# Altium PCB HV_DAC_8ch-DIOT.PCBDOC (part 5 of 11) (continued)
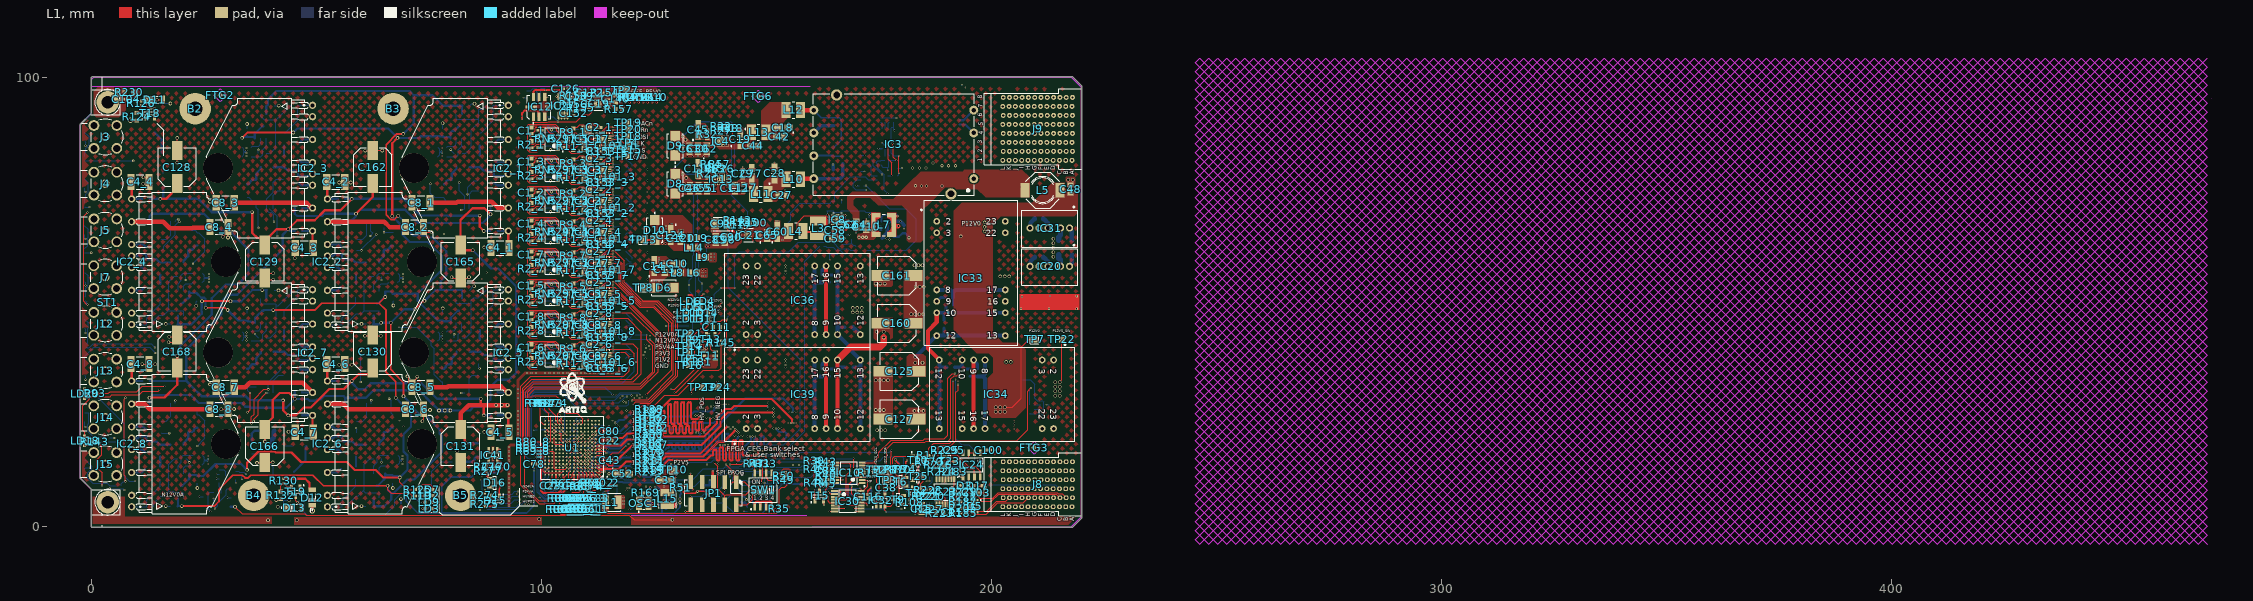
[diagram p0: L1 view]
## Nets (pads, with @x,y where several pads share a name; then routed paths per layer and width w, separated by ;. In a path a pad name is that pad's centre, name@x,y a point inside that pad or via, vN(x,y) a via of type N, cw(c..) or ccw(c..) an arc to the next point about the centre after c; other vN are vias at no path point) (continued)
BP_IO.LVDS_P8: J8.B6 R97.2 R189.2 | length 146.5
  L1 w0.1: R189.2@124.414,25.618 124.44,25.644 124.44,25.667 124.499,25.726 124.78,25.726 124.839,25.668 124.839,25.61 125.079,25.37 R97.2@125.099,25.37 125.119,25.37 125.359,25.61 125.359,25.668 125.417,25.726 126.126,25.726 128.8,28.4 151.1,28.4 155.623,23.877 155.623,23.309 155.473,23.159 v1(155.473,23.1)
  L3 w0.1: v1(155.473,23.1) 155.473,23.181 155.57,23.279 155.57,23.588 156.58,24.597 172.103,24.597 173.468,23.232 183.768,23.232 185.065,21.935 185.3,21.7 186.868,20.132 200.1,20.132 200.316,20.132 ccw(c200.316,20.233) 200.417,20.233 200.417,22.592 cw(c200.849,22.592) 200.849,23.025 201.15,23.025 cw(c201.15,22.592) 201.583,22.592 201.583,19.792 ccw(c201.684,19.792) 201.684,19.692 201.985,19.692 ccw(c201.985,19.792) 202.085,19.792 202.085,22.592 cw(c202.518,22.592) 202.518,23.025 202.819,23.025 cw(c202.819,22.592) 203.252,22.592 203.252,19.792 ccw(c203.352,19.792) 203.352,19.692 203.653,19.692 ccw(c203.653,19.792) 203.754,19.792 203.754,21.111 cw(c204.186,21.111) 204.186,21.544 204.488,21.544 cw(c204.488,21.111) 204.92,21.111 204.92,19.792 ccw(c205.021,19.792) 205.021,19.692 205.322,19.692 ccw(c205.322,19.792) 205.422,19.792 205.422,21.254 cw(c205.855,21.254) 205.855,21.687 206.156,21.687 cw(c206.156,21.254) 206.589,21.254 206.589,19.792 ccw(c206.689,19.792) 206.689,19.692 206.991,19.692 ccw(c206.991,19.792) 207.091,19.792 207.091,22.592 cw(c207.524,22.592) 207.524,23.025 207.825,23.025 cw(c207.825,22.592) 208.258,22.592 208.258,19.792 ccw(c208.358,19.792) 208.358,19.692 208.659,19.692 ccw(c208.659,19.792) 208.76,19.792 208.76,22.592 cw(c209.192,22.592) 209.192,23.025 209.493,23.025 cw(c209.493,22.592) 209.926,22.592 209.926,20.233 ccw(c210.027,20.233) 210.027,20.132 210.6,20.132 211.538,20.132 212.2,19.47 212.435,19.235 212.8,18.87 212.8,17.1 213.5,16.4 214.8,16.4 214.968,16.568 214.968,21.238 215.562,21.832 216.738,21.832 216.9,21.67 217.135,21.435 217.932,20.638 217.932,17.232 216.105,15.405 216.105,15.034 J8.B6@216.639,14.5
BP_IO.LVDS_P9: J8.K6 R102.2 R197.2 | length 146.7
  L1 w0.1: R197.2@124.235,23.579 124.255,23.579 124.415,23.739 124.415,23.764 124.497,23.847 124.78,23.847 124.839,23.788 124.839,23.73 125.079,23.49 R102.2@125.099,23.49 125.119,23.49 125.359,23.73 125.359,23.788 125.417,23.847 125.878,23.847 125.944,23.913 126.3,23.913 126.464,23.913 ccw(c126.464,24.24) 126.791,24.24 126.791,25.582 cw(c126.891,25.582) 126.891,25.682 127.193,25.682 cw(c127.193,25.582) 127.293,25.582 127.293,23.122 ccw(c127.62,23.122) 127.62,22.794 127.922,22.794 ccw(c127.922,23.122) 128.249,23.122 128.249,27.04 cw(c128.349,27.04) 128.349,27.14 128.651,27.14 cw(c128.651,27.04) 128.751,27.04 128.751,23.122 ccw(c129.078,23.122) 129.078,22.794 129.38,22.794 ccw(c129.38,23.122) 129.707,23.122 129.707,27.508 cw(c129.807,27.508) 129.807,27.609 130.109,27.609 cw(c130.109,27.508) 130.209,27.508 130.209,23.122 ccw(c130.536,23.122) 130.536,22.794 130.837,22.794 ccw(c130.837,23.122) 131.165,23.122 131.165,27.508 cw(c131.265,27.508) 131.265,27.609 131.566,27.609 cw(c131.566,27.508) 131.667,27.508 131.667,23.122 ccw(c131.994,23.122) 131.994,22.794 132.295,22.794 ccw(c132.295,23.122) 132.623,23.122 132.623,27.508 cw(c132.723,27.508) 132.723,27.609 133.024,27.609 cw(c133.024,27.508) 133.125,27.508 133.125,24.24 ccw(c133.452,24.24) 133.452,23.913 134.5,23.913 134.799,23.913 135.247,24.361 135.247,24.591 135.397,24.741 v1(135.397,24.8)
  L3 w0.1: v1(135.397,24.8) 135.397,24.719 135.3,24.621 135.3,23.4 136.7,22 139.3,19.4 141.57,19.4 142.87,18.1 170.17,18.1 171.77,16.5 175.9,16.5 176.1,16.3 183.4,16.3 184.499,16.3 cw(c184.499,15.867) 184.932,15.867 184.932,14.408 ccw(c185.032,14.408) 185.032,14.307 185.333,14.307 ccw(c185.333,14.408) 185.434,14.408 185.434,15.867 cw(c185.866,15.867) 185.866,16.3 189.505,16.3 cw(c189.505,15.867) 189.938,15.867 189.938,15.01 ccw(c190.038,15.01) 190.038,14.909 190.339,14.909 ccw(c190.339,15.01) 190.44,15.01 190.44,16.14 cw(c190.872,16.14) 190.872,16.573 191.173,16.573 cw(c191.173,16.14) 191.606,16.14 191.606,14.408 ccw(c191.707,14.408) 191.707,14.307 192.008,14.307 ccw(c192.008,14.408) 192.108,14.408 192.108,15.867 cw(c192.541,15.867) 192.541,16.3 195.732,16.3 196,16.032 196.179,16.032 cw(c196.179,15.6) 196.612,15.6 196.612,14.408 ccw(c196.712,14.408) 196.712,14.307 197.014,14.307 ccw(c197.014,14.408) 197.114,14.408 197.114,16.14 cw(c197.547,16.14) 197.547,16.573 197.848,16.573 cw(c197.848,16.14) 198.281,16.14 198.281,14.408 ccw(c198.381,14.408) 198.381,14.307 198.682,14.307 ccw(c198.682,14.408) 198.783,14.408 198.783,16.14 cw(c199.215,16.14) 199.215,16.573 199.516,16.573 cw(c199.516,16.14) 199.949,16.14 199.949,14.408 ccw(c200.05,14.408) 200.05,14.307 200.351,14.307 ccw(c200.351,14.408) 200.451,14.408 200.451,15.6 cw(c200.884,15.6) 200.884,16.032 201.1,16.032 202.91,16.032 203.505,15.438 203.505,15.034 J8.K6@204.039,14.5
BP_IO.LVDS_P10: J8.H6 R172.2 R199.2 | length 147.5
  L1 w0.1: R199.2@124.235,21.682 124.255,21.682 124.415,21.842 124.415,21.877 124.507,21.969 124.78,21.969 124.839,21.911 124.839,21.853 125.079,21.613 R172.2@125.099,21.613 125.119,21.613 125.359,21.853 125.359,21.911 125.417,21.969 125.672,21.969 125.878,21.969 125.944,22.036 126.096,22.036 ccw(c126.096,22.363) 126.423,22.363 126.423,22.548 cw(c126.523,22.548) 126.523,22.648 126.825,22.648 cw(c126.825,22.548) 126.925,22.548 126.925,21.178 ccw(c127.252,21.178) 127.252,20.851 127.554,20.851 ccw(c127.554,21.178) 127.881,21.178 127.881,22.24 cw(c127.981,22.24) 127.981,22.34 128.283,22.34 cw(c128.283,22.24) 128.383,22.24 128.383,21.088 ccw(c128.71,21.088) 128.71,20.761 129.012,20.761 ccw(c129.012,21.088) 129.339,21.088 129.339,22.24 cw(c129.439,22.24) 129.439,22.34 129.741,22.34 cw(c129.741,22.24) 129.841,22.24 129.841,21.088 ccw(c130.168,21.088) 130.168,20.761 130.47,20.761 ccw(c130.47,21.088) 130.797,21.088 130.797,22.24 cw(c130.897,22.24) 130.897,22.34 131.199,22.34 cw(c131.199,22.24) 131.299,22.24 131.299,21.088 ccw(c131.626,21.088) 131.626,20.761 131.928,20.761 ccw(c131.928,21.088) 132.255,21.088 132.255,22.24 cw(c132.355,22.24) 132.355,22.34 132.657,22.34 cw(c132.657,22.24) 132.757,22.24 132.757,21.088 ccw(c133.084,21.088) 133.084,20.761 133.386,20.761 ccw(c133.386,21.088) 133.713,21.088 133.713,23.227 cw(c133.813,23.227) 133.813,23.328 134.115,23.328 cw(c134.115,23.227) 134.215,23.227 134.215,21.704 ccw(c134.542,21.704) 134.542,21.377 134.844,21.377 ccw(c134.844,21.704) 135.171,21.704 135.171,23.227 cw(c135.271,23.227) 135.271,23.328 135.573,23.328 cw(c135.573,23.227) 135.673,23.227 135.673,21.704 ccw(c136,21.704) 136,21.377 136.302,21.377 ccw(c136.302,21.704) 136.629,21.704 136.629,21.935 cw(c136.729,21.935) 136.729,22.036 136.893,22.036 136.936,22.036 137.65,22.75 137.65,24.091 137.8,24.241 v1(137.8,24.3)
  L3 w0.1: v1(137.8,24.3) 137.8,24.219 137.703,24.121 137.703,23.567 140.57,20.7 141.5,20.7 141.735,20.465 143.168,19.032 171.1,19.032 171.705,19.032 cw(c171.705,18.6) 172.138,18.6 172.138,17.521 ccw(c172.238,17.521) 172.238,17.421 172.539,17.421 ccw(c172.539,17.521) 172.64,17.521 172.64,19.04 cw(c173.072,19.04) 173.072,19.473 173.373,19.473 cw(c173.373,19.04) 173.806,19.04 173.806,17.458 ccw(c173.907,17.458) 173.907,17.358 174.208,17.358 ccw(c174.208,17.458) 174.308,17.458 174.308,19.04 cw(c174.741,19.04) 174.741,19.473 175.042,19.473 cw(c175.042,19.04) 175.475,19.04 175.475,17.458 ccw(c175.575,17.458) 175.575,17.358 175.876,17.358 ccw(c175.876,17.458) 175.977,17.458 175.977,19.04 cw(c176.409,19.04) 176.409,19.473 176.711,19.473 cw(c176.711,19.04) 177.143,19.04 177.143,17.81 ccw(c177.244,17.81) 177.244,17.709 177.545,17.709 ccw(c177.545,17.81) 177.645,17.81 177.645,19.04 cw(c178.078,19.04) 178.078,19.473 178.379,19.473 cw(c178.379,19.04) 178.812,19.04 178.812,17.458 ccw(c178.912,17.458) 178.912,17.358 179.214,17.358 ccw(c179.214,17.458) 179.314,17.458 179.314,19.04 cw(c179.747,19.04) 179.747,19.473 180.048,19.473 cw(c180.048,19.04) 180.481,19.04 180.481,17.458 ccw(c180.581,17.458) 180.581,17.358 180.882,17.358 ccw(c180.882,17.458) 180.983,17.458 180.983,19.04 cw(c181.415,19.04) 181.415,19.473 181.716,19.473 cw(c181.716,19.04) 182.149,19.04 182.149,17.458 ccw(c182.25,17.458) 182.25,17.358 182.551,17.358 ccw(c182.551,17.458) 182.651,17.458 182.651,18.6 cw(c183.084,18.6) 183.084,19.032 183.3,19.032 184.268,19.032 184.5,18.8 185.168,18.132 186.768,18.132 187.365,17.535 187.6,17.3 187.768,17.132 193.793,17.132 194.009,17.132 ccw(c194.009,17.233) 194.11,17.233 194.11,18.14 cw(c194.542,18.14) 194.542,18.573 194.844,18.573 cw(c194.844,18.14) 195.276,18.14 195.276,16.96 ccw(c195.377,16.96) 195.377,16.859 195.678,16.859 ccw(c195.678,16.96) 195.778,16.96 195.778,18.14 cw(c196.211,18.14) 196.211,18.573 196.512,18.573 cw(c196.512,18.14) 196.945,18.14 196.945,17.233 ccw(c197.045,17.233) 197.045,17.132 197.346,17.132 ccw(c197.346,17.233) 197.447,17.233 197.447,18.14 cw(c197.879,18.14) 197.879,18.573 198.181,18.573 cw(c198.181,18.14) 198.613,18.14 ; 198.613,18.14 198.613,17.233 ccw(c198.714,17.233) 198.714,17.132 202.352,17.132 ccw(c202.352,17.233) 202.453,17.233 202.453,18.14 cw(c202.885,18.14) 202.885,18.573 203.186,18.573 cw(c203.186,18.14) 203.619,18.14 203.619,17.233 ccw(c203.72,17.233) 203.72,17.132 205.807,17.132 206.21,17.132 207.705,15.638 207.705,15.034 J8.H6@208.239,14.5
BP_IO.LVDS_P11: J9.D1 R71.2 R203.2 | length 142.5
  L1 w0.1: R203.2@124.26,19.847 124.28,19.847 124.509,20.076 124.778,20.076 ; v1(150.3,26.7) 150.241,26.7 150.091,26.85 142.971,26.85 142.321,26.2 140.927,26.2 139.2,24.473 139.2,23.079 136.223,20.102 125.417,20.102 125.359,20.044 125.359,19.986 125.119,19.746 R71.2@125.099,19.746 125.079,19.746 R71.2@124.839,19.986 ; 124.778,20.076 124.778,20.047 R71.2@124.839,19.986 ; 124.778,20.076 124.839,20.015 R71.2@124.839,19.986
  L3 w0.1: v1(150.3,26.7) 150.381,26.7 150.479,26.797 151.967,26.797 153.738,28.568 200.338,28.568 205.7,33.93 205.7,65.3 204.8,66.2 204.8,71.83 205.885,72.915 207.185,74.215 cw(c207.567,73.832) 207.95,74.214 ; 207.951,74.214 208.158,74.006 ; 208.159,74.006 ccw(c208.776,74.623) 209.394,74.005 209.479,74.09 ccw(c208.861,74.708) 209.528,75.272 209.528,75.276 209.48,75.324 ; 209.479,75.325 209.269,75.535 cw(c209.652,75.917) 209.269,76.3 209.422,76.452 209.859,76.889 211.459,78.489 213.205,80.235 213.205,80.966 J9.D1@213.739,81.5
BP_IO.LVDS_P12: J9.A1 R107.2 R209.2 | length 145.1
  L1 w0.1: R209.2@124.238,17.943 124.398,18.103 124.398,18.139 124.469,18.211 124.763,18.211 124.822,18.152 124.822,18.094 125.062,17.854 125.102,17.854 125.342,18.094 125.342,18.152 125.4,18.211 135.732,18.211 139.927,22.406 139.927,23.806 141.471,25.35 151.391,25.35 151.541,25.2 v1(151.6,25.2)
  L3 w0.1: v1(151.6,25.2) 151.681,25.2 151.779,25.297 152.267,25.297 154.438,27.468 203.038,27.468 207.132,31.562 207.132,47.232 208.132,48.232 208.132,54.638 207.135,55.635 207.135,69.235 217.405,79.505 217.405,80.966 J9.A1@217.939,81.5
BP_IO.LVDS_P13: J9.J1 R79.2 R211.2 | length 145.5
  L1 w0.1: R211.2@124.267,16.048 124.287,16.048 124.447,16.208 124.447,16.257 124.506,16.315 124.589,16.315 124.838,16.315 124.897,16.257 124.897,16.199 125.137,15.959 R79.2@125.157,15.959 125.177,15.959 125.417,16.199 125.417,16.257 125.475,16.315 135.436,16.315 141.361,22.239 141.561,22.239 v1(141.567,22.233)
  L3 w0.1: v1(141.567,22.233) 141.624,22.291 141.624,22.428 143.824,24.629 143.977,24.782 ccw(c143.671,25.088) 144.026,25.335 144.026,25.345 143.978,25.393 ; 143.977,25.394 143.1,26.27 cw(c143.171,26.341) 143.1,26.412 143.313,26.625 cw(c143.384,26.554) 143.455,26.625 144.389,25.691 ccw(c144.695,25.997) 145.001,25.691 145.214,25.904 ccw(c144.908,26.21) 145.214,26.516 144.28,27.45 cw(c144.351,27.521) 144.28,27.592 144.493,27.805 cw(c144.564,27.734) 144.635,27.805 145.569,26.871 ccw(c145.875,27.177) 146.181,26.871 146.394,27.084 ccw(c146.088,27.39) 146.394,27.696 145.46,28.63 cw(c145.531,28.701) 145.46,28.772 145.673,28.985 cw(c145.744,28.914) 145.815,28.985 146.692,28.108 ccw(c146.998,28.414) 147.304,28.108 148.669,29.473 149.963,30.768 196.938,30.768 200.332,34.162 200.332,39.938 200.135,40.135 197.4,42.87 197.4,72.4 204.805,79.805 204.805,80.966 J9.J1@205.339,81.5
BP_IO.LVDS_P14: J9.G1 R81.2 R213.2 | length 140.8
  L1 w0.1: R213.2@124.318,14.193 124.338,14.193 124.498,14.353 124.498,14.39 124.557,14.448 124.838,14.448 124.897,14.39 124.897,14.332 125.137,14.092 R81.2@125.157,14.092 125.177,14.092 125.417,14.332 125.417,14.39 125.475,14.448 126.569,14.448 127.694,15.573 136.099,15.573 139.413,18.887 140.587,18.887 142.8,21.1 143.103,21.403 143.315,21.403 v1(143.356,21.444)
  L3 w0.1: 143.413,21.639 144.138,22.364 144.138,22.838 150.868,29.568 197.738,29.568 202.232,34.062 202.232,40.538 201.335,41.435 200.4,42.37 200.4,55.8 203.032,58.432 203.032,62.238 202.235,63.035 202,63.27 200.4,64.87 200.4,71.253 209.005,79.858 209.005,80.966 J9.G1@209.539,81.5
BP_IO.LVDS_P15: J8.E2 R83.2 R215.2 | length 147
  L1 w0.1: R215.2@124.235,12.271 124.255,12.271 124.415,12.431 124.415,12.456 124.497,12.538 124.78,12.538 124.839,12.48 124.839,12.422 125.079,12.182 R83.2@125.099,12.182 125.119,12.182 125.359,12.422 125.359,12.48 125.417,12.538 126.059,12.538 128.321,14.8 136.7,14.8 137.7,15.8 137.8,15.8 137.964,15.8 ccw(c137.964,16.127) 138.291,16.127 138.291,16.956 cw(c138.391,16.956) 138.391,17.057 138.693,17.057 cw(c138.693,16.956) 138.793,16.956 138.793,15.085 ccw(c139.12,15.085) 139.12,14.758 139.422,14.758 ccw(c139.422,15.085) 139.749,15.085 139.749,17.496 cw(c139.849,17.496) 139.849,17.596 140.151,17.596 cw(c140.151,17.496) 140.251,17.496 140.251,15.085 ccw(c140.578,15.085) 140.578,14.758 140.88,14.758 ccw(c140.88,15.085) 141.207,15.085 141.207,17.496 cw(c141.307,17.496) 141.307,17.596 141.609,17.596 cw(c141.609,17.496) 141.709,17.496 141.709,15.085 ccw(c142.036,15.085) 142.036,14.758 142.338,14.758 ccw(c142.338,15.085) 142.665,15.085 142.665,19.028 cw(c142.765,19.028) 142.765,19.128 143.066,19.128 cw(c143.066,19.028) 143.167,19.028 143.167,15.085 ccw(c143.494,15.085) 143.494,14.758 143.795,14.758 ccw(c143.795,15.085) 144.123,15.085 144.123,19.028 cw(c144.223,19.028) 144.223,19.128 144.524,19.128 cw(c144.524,19.028) 144.625,19.028 144.625,16.127 ccw(c144.952,16.127) 144.952,15.8 145.824,15.8 147.821,15.8 148.327,16.306 148.327,16.8 148.427,16.9 v1(148.477,16.9)
  L6 w0.1: v1(148.477,16.9) 148.477,16.819 148.38,16.721 148.38,16.52 148.7,16.2 148.8,16.1 152.97,16.1 153.873,15.197 164.373,15.197 164.682,14.888 164.838,14.732 173.568,14.732 174.465,13.835 174.7,13.6 175.568,12.732 183.362,12.732 183.662,13.032 185.468,13.032 185.7,12.8 187.668,10.832 192.768,10.832 194.065,9.535 194.3,9.3 195.968,7.632 197.838,7.632 199.3,6.17 199.535,5.935 199.732,5.738 199.732,4.162 198.973,3.403 196.197,3.403 196.1,3.5 196,3.6 194.4,3.6 193.8,3 193.8,1.7 193.9,1.6 194.4,1.1 199.93,1.1 201.068,2.238 201.068,6.638 202.062,7.632 211.527,7.632 211.905,7.254 211.905,7.034 J8.E2@212.439,6.5
CHASSIS: C104.1 R230.1 R232.2 ST1.0 ST1.1 | length 105.7
  L1 w0.127: ST1.0@3.556,6.83 ST1.0@3.556,5.512 ST1.0@4.388,4.68 ; ST1.1@3.556,94.412 ST1.1@3.87,94.098
  L3 w0.127: ST1.0@3.556,5.512 ST1.0@3.556,6.293
  L6 w1: ST1.0@3.556,5.512 3.556,6.256 6.5,9.2 10.5,9.2 12,10.7 12,25.6 11.247,26.353 11.247,32.447 12.7,33.9 12.7,89.6 10.1,92.2 5.768,92.2 ST1.1@3.556,94.412
  other v2: 39.2,1.5
CLK_25MHz: R169.2 U1.K9 | length 25.5
  L1 w0.127: v1@106.027,19.152 106.048,19.152 106.379,18.821 U1.K9@106.379,18.8 ; v1(122.028,7.542) 122.058,7.571 R169.2@122.722,7.571
  L6 w0.1: v1(106,19.2) 105.5,18.7 105.5,17.7 105.635,17.565 105.635,16.565 106.5,15.7 106.5,14.7 107.204,13.996 107.704,13.996 107.9,13.8 107.9,12.7 108.3,12.3 112.1,12.3 113.5,10.9 118.2,10.9 121.546,7.554 122.016,7.554 v1(122.028,7.542)
DAC_CLK1: C66_1.1 IC37_1.8 R65_1.2 TP4.1 | length 110.4
  L1 w0.127: v1(110.084,3.256) R65_1.2@110.084,3.662 ; IC37_1.8@115.112,86.906 115.157,86.951 115.792,86.951 v1(115.874,87.033) 116.567,87.033 118.2,85.4 TP4.1@119.3,85.4 ; IC37_1.8@115.185,86.918 IC37_1.8@115.218,86.885
  L3 w0.1: v1(110.084,3.256) 110.937,2.402 122.802,2.402 123.154,2.754 125.654,5.254 125.654,9.211 125.3,9.565 125.3,48.6 121.554,52.346 121.554,68.038 120.154,69.438 120.154,74.264 118.716,75.702 118.716,80.876 117.4,82.192 117.4,85.96 116.327,87.033 v1(115.874,87.033)
  L8 w0.127: v1(115.874,87.033) 115.879,87.033 117.109,85.803 C66_1.1@117.186,85.803
DAC_CLK2: C66_2.1 IC37_2.8 R65_2.2 | length 108.3
  L1 w0.1: R65_2.2@112.4,9.525 112.4,9.133 v1(112.446,9.087)
  L1 w0.127: IC37_2.8@115.112,73.133 115.157,73.178 115.792,73.178 v1(115.874,73.26) ; IC37_2.8@115.185,73.145 IC37_2.8@115.218,73.111 ; v1@115.923,73.21 v1@115.923,73.263
  L3 w0.1: v1(115.874,73.26) 116.327,73.26 117.4,72.187 117.4,68.657 118.873,67.184 118.873,50.3 120.273,48.9 120.273,39.006 121.377,37.902 121.377,35.677 121.2,35.5 v1(121.2,29.2)
  L6 w0.1: v1(112.446,9.087) 112.446,10.354 111.247,11.553 97.647,11.553 97,12.2 97,25 100.1,28.1 116.9,28.1 118.2,26.8 120.7,26.8 121.2,27.3 v1(121.2,29.2)
  L8 w0.127: v1(115.874,73.26) 115.879,73.26 117.109,72.03 C66_2.1@117.186,72.03
DAC_CLK3: C66_3.1 IC37_3.8 R65_3.2 | length 118.3
  L1 w0.127: v1(110.592,5.663) R65_3.2@110.592,6.069 ; IC37_3.8@115.112,80.019 115.157,80.064 115.792,80.064 v1(115.874,80.146) ; IC37_3.8@115.185,80.031 IC37_3.8@115.218,79.998 ; v1@115.923,80.097 v1@115.923,80.149
  L3 w0.1: v1(115.874,80.146) 116.327,80.146 117.4,79.073 117.4,75.305 118.8,73.905 118.8,69.118 120.2,67.718 120.2,51.1 121.9,49.4 121.9,40 v1(123,38.9)
  L5 w0.1: v1(110.592,5.663) 110.21,5.663 109.681,5.134 109.681,4.805 108.849,3.973 108.521,3.973 108.031,3.483 108.031,3.399 107.531,2.898 104.543,2.898 104.541,2.9 104.2,2.9 103.4,3.7 100.5,3.7 98.6,5.6 98.6,7.1 96.1,9.6 96.1,23.2 100.481,27.581 101.981,27.581 103.2,28.8 110.6,28.8 112.9,31.1 121.4,31.1 123.6,33.3 123.6,38.291 123,38.891 v1(123,38.9)
  L8 w0.127: v1(115.874,80.146) 115.879,80.146 117.109,78.916 C66_3.1@117.186,78.916
DAC_CLK4: C66_4.1 IC37_4.8 R65_4.2 | length 97.3
  L1 w0.1: R65_4.2@110.025,8.65 110.025,8.375 110.1,8.3 v1(110.1,8)
  L1 w0.127: IC37_4.8@115.112,66.246 115.157,66.291 115.792,66.291 v1(115.874,66.373) ; IC37_4.8@115.185,66.258 IC37_4.8@115.218,66.225 ; v1@115.923,66.323 v1@115.923,66.376
  L3 w0.1: v1(115.874,66.373) 116.327,66.373 117.4,65.3 117.4,50.2 118.7,48.9 118.7,30.8 118.377,30.477 118.377,28.944 118.2,28.767 v1(118.2,27.9)
  L6 w0.1: v1(110.1,8) 110.1,8.5 109,9.6 98.9,9.6 96.5,12 96.5,25.4 98.1,27 98.1,28.8 98.4,29.1 114.3,29.1 114.9,28.5 117,28.5 117.646,27.854 118.154,27.854 v1(118.2,27.9)
  L8 w0.127: v1(115.874,66.373) 115.879,66.373 117.109,65.143 C66_4.1@117.186,65.143
DAC_CLK5: C66_5.1 IC37_5.8 R65_5.2 | length 80.7
  L1 w0.1: IC37_5.8@115.112,52.473 115.157,52.518 115.792,52.518 v1(115.874,52.6) v1@115.923,52.6 ; IC37_5.8@115.185,52.485 IC37_5.8@115.218,52.452 ; v1@115.923,52.55 v1@115.923,52.6 ; v1@115.923,52.603 v1@115.923,52.6 ; v1(127.3,37.7) 127.3,39 126.8,39.5 126.8,42.273 116.473,52.6 v1@115.923,52.6
  L1 w0.127: v1(106.451,3.275) R65_5.2@106.451,3.682
  L3 w0.1: v1(106.451,3.275) 108.504,1.223 124.923,1.223 128.2,4.5 128.2,7.3 127.8,7.7 127.8,9.5 127.3,10 v1(127.3,37.7)
  L8 w0.127: v1(115.874,52.6) 115.879,52.6 117.109,51.37 C66_5.1@117.186,51.37
DAC_CLK6: C66_6.1 IC37_6.8 R65_6.2 | length 71.9
  L1 w0.1: R65_6.2@105.9,9.4 105.9,9.1 103.4,6.6 103.4,5.9 102.7,5.2 99.5,5.2 95.4,9.3 95.4,31.3 97.6,33.5 118.3,33.5 119.5,34.7 119.5,37.8 118.473,38.827 v1(115.874,38.827) 115.792,38.745 115.157,38.745 IC37_6.8@115.112,38.7 ; IC37_6.8@115.185,38.712 IC37_6.8@115.218,38.679
  L8 w0.127: v1(115.874,38.827) 115.879,38.827 117.109,37.597 C66_6.1@117.186,37.597
DAC_CLK7: C66_7.1 IC37_7.8 R65_7.2 | length 112.4
  L1 w0.1: IC37_7.8@115.112,59.359 115.157,59.404 115.792,59.404 v1(115.874,59.486) v1@115.923,59.486 ; IC37_7.8@115.185,59.371 IC37_7.8@115.218,59.338 ; v1@115.923,59.437 v1@115.923,59.486 ; v1@115.923,59.489 v1@115.923,59.486 ; v1(120.1,28.1) 120.109,28.1 120.309,28.3 123.7,28.3 129.3,33.9 129.3,45.7 125.4,49.6 122.057,49.6 117.6,54.057 117.6,58.36 116.473,59.486 v1@115.923,59.486
  L1 w0.127: v1(106.807,5.7) R65_7.2@106.807,6.106
  L3 w0.1: v1(106.807,5.7) 105.007,3.9 95,3.9 93.3,5.6 93.3,16.6 95.5,18.8 95.5,26.9 98.1,29.5 114.2,29.5 116.546,27.154 119.154,27.154 v1(120.1,28.1)
  L8 w0.127: v1(115.874,59.486) 115.879,59.486 117.109,58.257 C66_7.1@117.186,58.257
DAC_CLK8: C66_8.1 IC37_8.8 R65_8.2 | length 62.9
  L1 w0.1: R65_8.2@97.725,17.5 97.675,17.5 97.6,17.575 97.6,17.625 96.546,18.679 96.546,30.1 98.246,31.8 122,31.8 124.7,34.5 124.7,40.3 123.4,41.6 v1(123.4,42.7) ; IC37_8.8@115.112,45.586 115.157,45.631 115.792,45.631 v1(115.874,45.713) v1@115.923,45.713 ; IC37_8.8@115.185,45.598 IC37_8.8@115.218,45.565 ; v1@115.923,45.664 v1@115.923,45.713 ; v1@115.923,45.716 v1@115.923,45.713
  L8 w0.1: C66_8.1@117.16,44.407 117.16,44.382 117.585,43.957 117.61,43.957 117.9,43.667 117.9,42.3 118.2,42 119.6,42 120.3,42.7 v1(123.4,42.7)
  L8 w0.127: v1(115.874,45.713) 115.879,45.713 117.109,44.484 C66_8.1@117.16,44.484
DAC_LDACn1: C89_1.1 IC37_1.11 R80_1.2 TP19.1 | length 117.7
  L1 w0.127: v1(108.433,3.352) R80_1.2@108.433,3.758 ; IC37_1.11@113.435,87.668 113.435,87.899 114.474,88.938 v1(115.874,88.938) 116.838,88.938 117.8,89.9 TP19.1@119.3,89.9 ; v1@115.963,88.849 v1@115.963,88.853
  L3 w0.1: v1(108.433,3.352) 109.984,1.8 123.6,1.8 126.3,4.5 126.3,10.2 126.1,10.4 126.1,11.8 126.3,12 126.3,37.067 126.123,37.244 126.123,37.556 126.2,37.633 126.2,48.692 122.267,52.625 122.267,68.333 120.867,69.733 120.867,74.27 119.224,75.913 119.224,81.086 118.7,81.61 118.7,81.9 118.208,82.392 118.208,87.552 116.822,88.938 v1(115.874,88.938)
  L8 w0.127: v1(115.874,88.938) 116.997,88.938 C89_1.1@117.033,88.902
DAC_LDACn2: C89_2.1 IC37_2.11 R80_2.2 | length 113.8
  L1 w0.1: R80_2.2@113.5,9.525 114.025,9.525 v1(114.2,9.7)
  L1 w0.127: IC37_2.11@113.435,73.895 113.435,74.126 114.474,75.165 v1(115.874,75.165) ; v1@115.963,75.075 v1@115.963,75.08
  L3 w0.1: v1(115.874,75.165) 116.822,75.165 118.208,73.779 118.208,68.992 119.608,67.592 119.608,50.7 121,49.308 121,39.3 122.4,37.9 v1(122.4,28.9)
  L6 w0.1: v1(114.2,9.7) 112,11.9 97.942,11.9 97.4,12.442 97.4,24.8 100.4,27.8 116.7,27.8 118,26.5 121.9,26.5 122.4,27 v1(122.4,28.9)
  L8 w0.127: v1(115.874,75.165) 116.997,75.165 C89_2.1@117.033,75.129
DAC_LDACn3: C89_3.1 IC37_3.11 R80_3.2 | length 119.2
  L1 w0.127: v1(108.915,5.714) R80_3.2@108.915,6.12 ; IC37_3.11@113.435,80.781 113.435,81.013 114.474,82.051 v1(115.874,82.051) ; v1@115.963,81.962 v1@115.963,81.967
  L3 w0.1: v1(115.874,82.051) 116.822,82.051 118.208,80.665 118.208,75.492 119.608,74.092 119.608,69.192 121.008,67.792 121.008,51.6 122.7,49.908 122.7,41.7 123.9,40.5 v1(123.9,40.2)
  L5 w0.1: v1(108.915,5.714) 108.514,5.714 108,5.2 108,4.902 107.398,4.3 101,4.3 100.2,5.1 100.2,7.4 97.1,10.5 97.1,22.9 101.1,26.9 102.2,26.9 103,27.7 111.8,27.7 114.5,30.4 122.4,30.4 124.9,32.9 124.9,39.6 124.3,40.2 v1(123.9,40.2)
  L8 w0.127: v1(115.874,82.051) 116.997,82.051 C89_3.1@117.033,82.015
DAC_LDACn4: C89_4.1 IC37_4.11 R80_4.2 | length 102.9
  L1 w0.127: IC37_4.11@113.435,67.008 113.435,67.24 114.474,68.278 v1(115.874,68.278) ; v1@115.963,68.189 v1@115.963,68.194
  L3 w0.1: v1(115.874,68.278) 116.822,68.278 118.208,66.892 118.208,50.192 119.4,49 v1(119.4,28.3)
  L8 w0.1: R80_4.2@108.3,11.225 108.3,10.742 107.812,10.254 105.654,10.254 103.425,8.025 103.425,8.023 103.204,7.802 103.202,7.802 102.7,7.3 101.3,7.3 100.7,7.9 100.7,10.2 101.6,11.1 101.6,16.2 97.8,20 97.8,28.6 98.7,29.5 104.8,29.5 107.4,26.9 119,26.9 119.4,27.3 v1(119.4,28.3)
  L8 w0.127: v1(115.874,68.278) 116.997,68.278 C89_4.1@117.033,68.242
DAC_LDACn5: C89_5.1 IC37_5.11 R80_5.2 | length 89.8
  L1 w0.1: IC37_5.11@113.435,53.235 113.435,53.466 114.474,54.505 v1(115.874,54.505) ; v1@115.875,54.503 116.17,54.503 121.873,48.8 124.8,48.8 128.3,45.3 v1(128.3,36.2) ; v1@115.963,54.416 v1@115.963,54.42
  L1 w0.127: v1(104.699,3.275) R80_5.2@104.699,3.682
  L3 w0.1: v1(104.699,3.275) 107.205,0.769 126.469,0.769 129.1,3.4 129.1,8.3 129.3,8.5 129.3,9.3 128.3,10.3 v1(128.3,36.2)
  L8 w0.127: v1(115.874,54.505) 116.997,54.505 C89_5.1@117.033,54.469
DAC_LDACn6: C89_6.1 IC37_6.11 R80_6.2 | length 81.2
  L1 w0.1: v1(101.5,5.777) 99.423,5.777 96.3,8.9 96.3,17.3 95.8,17.8 95.8,30.8 97.8,32.8 120,32.8 121.4,34.2 121.4,39.6 120.27,40.73 115.875,40.73 v1(115.874,40.732) 114.474,40.732 113.435,39.693 IC37_6.11@113.435,39.462
  L8 w0.1: v1(101.5,5.777) 101.557,5.72 101.68,5.72 101.7,5.7 103.8,5.7 105.3,4.2 107.6,4.2 107.9,4.5 107.9,5.1 108.3,5.5 108.3,5.8 109,6.5 R80_6.2@109.325,6.5
  L8 w0.127: v1(115.874,40.732) 116.997,40.732 C89_6.1@117.033,40.696
DAC_LDACn7: C89_7.1 IC37_7.11 R80_7.2 | length 112.6
  L1 w0.1: IC37_7.11@113.435,60.121 113.435,60.353 114.474,61.391 v1(115.874,61.391) ; v1@115.875,61.39 116.17,61.39 118.408,59.152 118.408,54.392 122.5,50.3 126,50.3 130.3,46 130.3,33.6 124.2,27.5 122.109,27.5 121.709,27.1 v1(121.7,27.1) ; v1@115.963,61.302 v1@115.963,61.307
  L1 w0.127: v1(105.029,5.7) R80_7.2@105.029,6.106
  L3 w0.1: v1(105.029,5.7) 103.929,4.6 95.1,4.6 94,5.7 94,16.5 96.3,18.8 96.3,26.3 98.1,28.1 114.2,28.1 115.9,26.4 120.5,26.4 121.2,27.1 v1(121.7,27.1)
  L8 w0.127: v1(115.874,61.391) 116.997,61.391 C89_7.1@117.033,61.356
DAC_LDACn8: C89_8.1 IC37_8.11 R80_8.2 | length 65.4
  L1 w0.1: R80_8.2@97.725,18.9 97.675,18.9 97.6,18.975 97.6,19.025 97.3,19.325 97.3,29.5 98.5,30.7 122.1,30.7 125.9,34.5 125.9,41.6 119.884,47.616 v1(115.874,47.618) ; IC37_8.11@113.435,46.348 113.435,46.58 114.474,47.618 v1(115.874,47.618) ; v1@115.963,47.529 v1@115.963,47.534
  L8 w0.127: v1(115.874,47.618) 116.997,47.618 C89_8.1@117.033,47.582